# KiCad board Home Assistant Voice PE.kicad_pcb (continued)
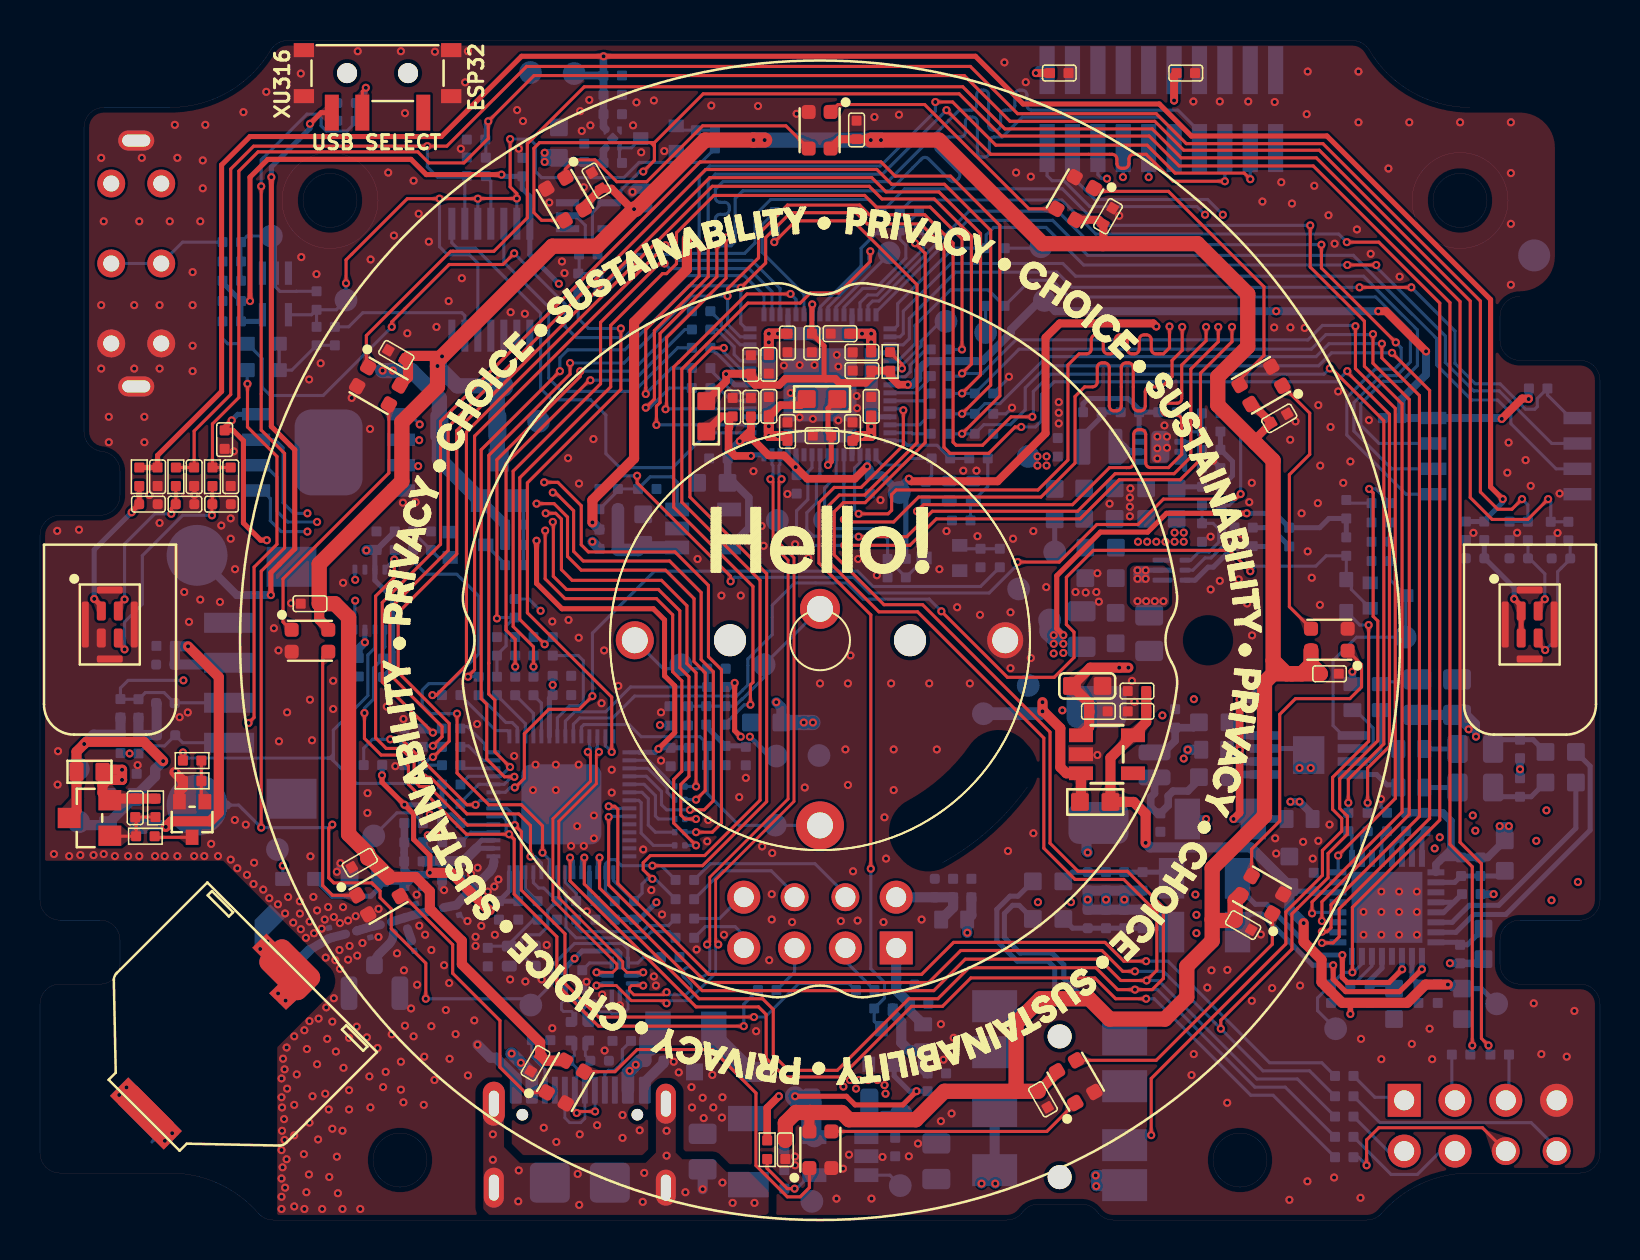
[diagram p0: board, top side]
## Placement (name value [footprint] x y rotation side) (continued)
U11  ME6211C18M5G-N  [SOT-23-5]  33.16 34.59 90 bottom
U12  TPS62065DSGR  [DFN8G-0.5-2X2MM]  56.02 38.68 90 bottom
U13  SGM2594BDXN5G/TR  [SOT-23-5]  40.02 3.19 270 bottom
U14  -  [SN74LVC1G17DCKR]  11.77 46.32 270 bottom  (not fitted)
U15  ZB25VQ128DSJG  [SOIC8-1.27-5.3X5.3MM]  14.43 38.4 270 bottom
U16  W25Q256JVEIQ  [WSON8-1.27-8x6x0.75mm]  14.43 38.4 180 bottom  (not fitted)
U17  SGM7222YWQ10/TR  [WQFN10_0d4_1_8x1_4x0_75mm]  28.99 12.03 270 bottom
U18  SGM2036S-3.3XXDH4G/TR  [X2SON4-0.625-1x1x0.6mm]  28.64 54.1 270 bottom
U19  LC1458CB5TR33  [SOT-23-5]  53.35 23.3 270 top  (not fitted)
U20  TXS0102DCUR  [VSSOP8-0.5-2.3X2X0.9MM]  16.5 31.03 270 bottom
USB1  USB-31C-F-16P-L7.35  [USB2.0-TYPE-C]  26.99 6.37 90 bottom
X1  24MHz 12pF  [X4-SMD-2.0X1.6MM]  46.06 36.47 0 bottom
X2  40MHz  [X4-SMD-2.0X1.6MM]  24.06 13.2 0 bottom

## Library data of the parts
ANT1 = -: Description: SMD U-FL Female CONN-Gold;3P-L2.6*W2.6*H1.25mm; Manufacturer: HRS; SKU: 320111077; Part Type: ANT; Temperature: -40°C to 90°C; ki_fp_filters: Connector:U-FL3P-SMD-2.6X2.6X1.0MM
ANT2 = -: Description: SMD Built-in Antenna;2.4GHz-5.43dBi;2P-L12*W10*H3mm; Manufacturer: MyAntenna; Part Type: ANT; Status: HA Voice Kit; Temperature: -45°C to 80°C; ki_fp_filters: Misc:ANT2P-12x10.45x3.0MM_1
C1 C4-C6 C9 C10 C12 C13 C25 C26 C30 C31 C33 C35 C37 C39 C43 C45-C58 C60 C61 C70 C78 C79 C81 C83 C85 C88-C90 C92 C93 = -: MPN: CC0402KRX7R8BB104; Manufacturer: YAGEO; Part Type: Ceramic; SKU: 302010024; Status: BeagleBone Carrier Board; Temperature: -55°C to 125°C; Voltage Rating: 25V,X7R
C2 C3 = -: Description: SMD CAP Ceramic 20pF-50V-5%-NPO;0402; MPN: CC0402JRNPO9BN200; Manufacturer: YAGEO; Part Type: Ceramic; SKU: 302010050; Status: Tracker; Temperature: -55°C to 125°C; Voltage Rating: 50V,NP0; ki_fp_filters: Capacitor:C0402
C7 = -: Description: SMD CAP Ceramic 2.4pF-50V-0.25pF-NPO;0402; MPN: CC0402CRNPO9BN2R4; Manufacturer: YAGEO; Part Type: Ceramic; SKU: 302010326; Status: Amazon Sidewalk Module; Temperature: -55°C to 125°C; Voltage Rating: 50V,NP0; ki_fp_filters: Capacitor:C0402
C8 C59 C77 = -: Description: SMD CAP Ceramic 12pF-50V-5%-NPO;0402; MPN: CC0402JRNPO9BN120; Manufacturer: YAGEO; Part Type: Ceramic; SKU: 302010049; Status: Testo PoE; Temperature: -55°C to 125°C; Voltage Rating: 50V,NPO; ki_fp_filters: Capacitor:C0402
C11 C68 C69 C84 = -: Description: SMD CAP Ceramic 2.2uF-10V-10%-X7R;0603; MPN: CC0603KRX7R6BB225; Manufacturer: YAGEO; Part Type: Ceramic; SKU: 302010054; Status: Sensecap Gateway V1; Temperature: -55°C to 125°C; Voltage Rating: 10V,X7R; ki_fp_filters: Capacitor:C0603
C14 C36 C40 C62 C63 C67 C71-C73 C75 = -: Description: SMD CAP Ceramic 10uF-10V-10%-X5R;0603; MPN: CL10A106KP8NNNC; Manufacturer: Samsung; Part Type: Ceramic; SKU: 302013252; Status: HA VOICE KIT; Temperature: -55°C to 85°C; Voltage Rating: 10V,X5R; ki_fp_filters: Capacitor:C0603
C15 C16 = -: MPN: CL31A476MPHNNNE; Manufacturer: Samsung; Part Type: Ceramic; SKU: 302013265; Status: reSpeaker; Temperature: -55°C to 85°C; Voltage Rating: 10V,X5R
C17 C18 = -: MPN: CC0402FRNPO9BN101; Manufacturer: Yageo; Part Type: Ceramic; SKU: 302012441; Status: reSpeaker; Temperature: -55°C to 125°C; Voltage Rating: 50V,NP0
C19-C21 = -: Description: SMD CAP Ceramic 22uF-10V-10%-X5R;0805; MPN: CL21A226KPCLRNC; Manufacturer: Samsung; Part Type: Ceramic; SKU: 302012264; Status: reSpeaker; Temperature: -55°C to 85°C; Voltage Rating: 10V,X5R; ki_fp_filters: Capacitor:C0805
C22 C23 C66 = -: Description: SMD CAP Ceramic 100nF-50V-10%-X7R;0603; MPN: CC0603KRX7R9BB104; Manufacturer: YAGEO; Part Type: Ceramic; SKU: 302010138; Status: BeagleBone Carrier Board; Temperature: -55°C to 125°C; Voltage Rating: 50V,X7R; ki_fp_filters: Capacitor:C0603
C24 = -: Description: SMD CAP Ceramic 47uF-10V-20%-X5R;1206; MPN: CL31A476MPHNNNE; Manufacturer: Samsung; Part Type: Ceramic; SKU: 302013265; Status: reSpeaker; Temperature: -55°C to 85°C; Voltage Rating: 10V,X5R; ki_fp_filters: Capacitor:C1206
C27 C28 = -: Description: SMD CAP Ceramic 10nF-50V-10%-X7R;0402; MPN: CC0402KRX7R9BB103; Manufacturer: YAGEO; Part Type: Ceramic; SKU: 302010006; Status: BeagleBone Carrier Board; Temperature: -55°C to 125°C; Voltage Rating: 50V,X7R; ki_fp_filters: Capacitor:C0402
C29 C32 = -: MPN: CC0402KRX7R9BB103; Manufacturer: YAGEO; Part Type: Ceramic; SKU: 302010006; Status: BeagleBone Carrier Board; Temperature: -55°C to 125°C; Voltage Rating: 50V,X7R
C34 C38 = -: Description: SMD CAP Ceramic 22uF-6.3V-20%-X5R;0603; MPN: CL10A226MQ8NRNC; Manufacturer: Samsung; Part Type: Ceramic; SKU: 302013254; Status: reSpeaker; Temperature: -55°C to 85°C; Voltage Rating: 6.3V,X5R; ki_fp_filters: Capacitor:C0603
C41 C44 C76 C87 = -: Description: SMD CAP Ceramic 1uF-10V-10%-X5R;0402; MPN: CL05A105KP5NNNC; Manufacturer: Samsung; Part Type: Ceramic; SKU: 302013249; Status: HA Voice KIT; Temperature: -55°C to 85°C; Voltage Rating: 10V,X5R; ki_fp_filters: Capacitor:C0402
C42 = -: Description: SMD Inductor;4.3nH-3%-350mA;0201; Manufacturer: Murata; MPN: LQP03TN4N3H02D; SKU: 303010093; Part Type: C; Status: TRACKER; Temperature: ’-55°C to 125°C; ki_fp_filters: Capacitor:C0201
C64 = -: Description: SMD CAP Ceramic 120pF-50V-5%-NP0;0402; Dielectric: NP0; MPN: CC0402JRNPO9BN121; Manufacturer: YAGEO; Part Type: Ceramic; SKU: 302013487; Status: Frame 2 EVT; Voltage Rating: 50V; ki_fp_filters: Capacitor:C0402
C65 = -: Description: SMD CAP Ceramic 22uF-25V-20%-X5R;0805; MPN: CL21A226MAQNNNE; Manufacturer: Samsung; Part Type: Ceramic; SKU: 302011928; Status: reTerminal DM; Temperature: -55°C to 85°C; Voltage Rating: 25V,X5R; ki_fp_filters: Capacitor:C0805
C74 = -: MPN: CC0402JRNPO9BN220; Manufacturer: YAGEO; Part Type: Ceramic; SKU: 302010018; Status: BeagleBone Carrier Board; Temperature: -55°C to 125°C; Voltage Rating: 50V,NPO
C80 = -: Description: SMD CAP Ceramic 1nF-1KV-10%-X7R;1206; Manufacturer: YAGEO; MPN: CC1206KKX7RCBB102; SKU: 302010189; Dielectric: X7R; Part Type: Ceramic; Voltage Rating: 1KV; Status: BeagleBone Carrier Board; Temperature: -55°C to 125°C; ki_fp_filters: Capacitor:C1206
C82 C106 C110 C112 C117 C123 = -: Description: SMD CAP Ceramic 1uF-10V-10%-X5R;0402; Manufacturer: Samsung; MPN: CL05A105KP5NNNC; SKU: 302013249; Part Type: Ceramic; Voltage Rating: 10V,X5R; Status: HA Voice KIT; Temperature: -55°C to 85°C; ki_fp_filters: Capacitor:C0402
C86 C103 C130 C131 C141 C146 = -: Manufacturer: YAGEO; MPN: CC0402KRX7R9BB103; SKU: 302010006; Part Type: Ceramic; Voltage Rating: 50V,X7R; Status: BeagleBone Carrier Board; Temperature: -55°C to 125°C
C91 C94 C95 C100 C104 C105 C107-C109 C118 C119 C132 C138-C140 C142-C145 C147-C155 = -: Manufacturer: YAGEO; MPN: CC0402KRX7R8BB104; SKU: 302010024; Part Type: Ceramic; Voltage Rating: 25V,X7R; Status: BeagleBone Carrier Board; Temperature: -55°C to 125°C
C96 = -: Description: SMD CAP Ceramic 0.8PF-50V-0.01pF-C0G/NP0;0201; Manufacturer: Murata; MPN: GRM0335C1HR80BA01D; SKU: 302011837; Part Type: Ceramic; Voltage Rating: 50V-0.01pF-C0G/NP0; Status: XIAO BLE; Temperature: -55°C to 125°C; ki_fp_filters: Capacitor:C0201
C97 C101 C102 = -: Description: SMD CAP Ceramic;1.2pF-50V-±0.25pF-NPO;0201; Manufacturer: YAGEO; MPN: CC0201CRNPO9BN1R2; SKU: 302010279; Part Type: C; Voltage Rating: ±0.25pF; Status: TRACKER; Temperature: ’-55°C to 125°C; ki_fp_filters: Capacitor:C0201
C98 C99 C113-C116 C124 C126-C129 C133-C137 = -: Description: SMD CAP Ceramic 12pF-50V-5%-NPO;0402; Manufacturer: YAGEO; MPN: CC0402JRNPO9BN120; SKU: 302010049; Part Type: Ceramic; Voltage Rating: 50V,NPO; Status: Testo PoE; Temperature: -55°C to 125°C; ki_fp_filters: Capacitor:C0402
C111 C125 = -: Description: SMD CAP Ceramic 10pF-50V-5%-NPO;0402; Manufacturer: YAGEO; MPN: CC0402JRNPO9BN100; SKU: 302010001; Part Type: Ceramic; Voltage Rating: 50V,NPO; Status: BeagleBone Carrier Board; Temperature: -55°C to 125°C; ki_fp_filters: Capacitor:C0402
C120 C121 = -: Description: SMD CAP Ceramic;4.7nF-50V-10%-X7R;0402; Manufacturer: YAGEO; MPN: CC0402KRX7R9BB472; SKU: 302010261; Part Type: Ceramic; Voltage Rating: 50V,X7R; Status: BeagleBone AI TDA4VM; Temperature: -55°C to 125°C; ki_fp_filters: Capacitor:C0402
C122 = -: Description: SMD CAP Ceramic 2.2uF-10V-10%-X7R;0603; Manufacturer: YAGEO; MPN: CC0603KRX7R6BB225; SKU: 302010054; Part Type: Ceramic; Voltage Rating: 10V,X7R; Status: Sensecap Gateway V1; Temperature: -55°C to 125°C; ki_fp_filters: Capacitor:C0603
D1 D10 D12 D14 D15 D17-D19 = -: Description: SMD Diode ESD 0.05pF;0402; Manufacturer: SEMITEL; SKU: 304060074; Part Type: ESD; ki_fp_filters: Diode:ESD-0402
D2 D3 D6 D7 = -: Manufacturer: SEMITEL; Part Type: ESD; SKU: 304060074
D4 = -: Description: SMD Diode ESD 0.05pF;0402; Manufacturer: SEMITEL; Part Type: ESD; SKU: 304060074; ki_fp_filters: Diode:ESD-0402
D5 D21 = -: Description: SMD Diode ESD 5.5V-6V-12pF-30KV-30KV;X1SON(2); Manufacturer: TI; SKU: 304050312; Part Type: ESD; Rating: 5.5V; Temperature: -40°C to 125°C; ki_fp_filters: Diode:ESD-0402
D8 = -: Description: SMD Diode ESD 5.5V-6V-12pF-30KV-30KV;X1SON(2); Manufacturer: TI; Part Type: ESD; Rating: 5.5V; SKU: 304050312; Temperature: -40°C to 125°C; ki_fp_filters: Diode:ESD-0402
D9 D11 D13 D20 = -: Description: SMD Diode Schottky 30V-200mA;SOD-523; Manufacturer: LRC; SKU: 304011072; Part Type: Schottky Diode; Rating: 30V,200mA; Temperature: -40°C to 125°C; ki_fp_filters: Diode:SOD-523
D16 = -: Manufacturer: SEMITEL; SKU: 304060074; Part Type: ESD
D22 = -: Description: SMD Diode TVS;5VWM;SOD-123; Manufacturer: MDD; Part Type: TVS; Rating: 5V; Status: Voice Kit; Temperature: -55°C to 150°C; ki_fp_filters: Diode:SOD-123
FB1 FB10 FB11 FB13 = -: Manufacturer: Murata; MPN: BLM18PG121SN1D; SKU: 303030024; Part Type: Ferrite Bead; Rating: 2A; Status: BeagleBone Carrier Board; Temperature: -55°C to 125°C
FB2 FB3 = -: MPN: BLM18AG121SN1D; Manufacturer: Murata; Part Type: Ferrite Bead; Rating: 500mA; SKU: 303030001; Status: BeagleBone Carrier Board
FB4 FB5 = -: Description: SMD Ferrite Bead;600R-500mA;0603; MPN: BLM18AG601SN1D; Manufacturer: Murata; Part Type: Ferrite Bead; Rating: 500mA; SKU: 303030521; Status: ReCamera-Pre; Temperature: -55°C to 125°C; ki_fp_filters: Inductor:L0603
FB6 FB7 = -: MPN: BLM18AG601SN1D; Manufacturer: Murata; Part Type: Ferrite Bead; Rating: 500mA; SKU: 303030521; Status: ReCamera-Pre; Temperature: -55°C to 125°C
FB8 FB9 = -: MPN: BLM18PG121SN1D; Manufacturer: Murata; Part Type: Ferrite Bead; Rating: 2A; SKU: 303030024; Status: BeagleBone Carrier Board; Temperature: -55°C to 125°C
FB12 = -: Description: SMD PPTC 2A-6V;1206; Manufacturer: Bourns; MPN: MF-NSMF200-2; SKU: MF-NSMF200-2; Part Type: Fuse; Rating: DC6V; Status: Voice Kit; Temperature: -40°C to 85°C; ki_fp_filters: Fuse:F1206
J1 = -: SKU: 320040142
J2 = -: Description: SMD Male CONN Header;2P-1.25mm; Manufacturer: SINOTOP; Part Type: Connectors; SKU: 320111167; Status: Future_Technolngy_Box; Temperature: -25°C to +85°C; ki_fp_filters: Connector:JST2P_1d25_7_55x4_25x4_8mm
J3 J6 = -: Description: DIP Black Male Header VERT;2*4P-2.54-2.54-11.6/3.0mm; Manufacturer: situozhan; SKU: 320020029; Part Type: Header; ki_fp_filters: Connector:H2X4-2.54-65_35MIL
J4 = -: Description: SMD Grove Female Header-Beige;4P-2.0; MPN: PHS-4P 立贴; Manufacturer: 思拓展; Part Type: Connectors; SKU: 320110030; ki_fp_filters: Connector:HW4-SMD-2.0
J5 = -: Description: SMD Box Header;Black 2*10P-1.27; SKU: 1.27Header; Part Type: Header; Status: HA VOIVC KIT; ki_fp_filters: Connector:JTAG_2X10_1.27_SMD
L1 = -: Description: SMD Innductor 0.47uH-20%;L2.0*W1.6*H1.0mm; MPN: WPN201610MR47MT; Manufacturer: Sunlord; Part Type: Inductor; Rating: 5.2A; SKU: 303010172; Status: BeagleBone Carrier Board; ki_fp_filters: Inductor:L0805
L2 = -: Description: SMD Inductor 1uH-20%-3.1A;L2.0*W1.6*H1.0mm; MPN: WPN201610U1R0MTY01; Manufacturer: Sunlord; Part Type: Inductor; Rating: 3.1A; SKU: 303011382; Status: HA Voice KIT; Temperature: -40°C to 125°C; ki_fp_filters: Inductor:L2016
L3 = -: Description: SMD CAP Ceramic 3.3pF-25V±0.1pF-NPO;0201; Manufacturer: YAGEO; MPN: CQ0201BRNPO8BN3R3; SKU: 302011041; Part Type: L; Status: Tracker; Temperature: -55°C to 125°C; ki_fp_filters: Inductor:L0201
L4 = -: Description: SMD Inductor;2.2nH ±0.2nH-1A;0402; Manufacturer: Murata; MPN: LQW15AN2N2C10D; SKU: 303011121; Part Type: Inductor; Rating: 1A; Status: Sensor Hub; Temperature: -55°C to 125°C; ki_fp_filters: Inductor:L0402
L5 = -: Description: SMD Common Mode Chokes;90R-150mA;4P-1.25*1.0*0.92mm; Manufacturer: Murata; MPN: DLP11SN900HL2L; SKU: 303050204; Part Type: Common Mode Filter; Rating: 150mA; Temperature: -40°C to 85°C; ki_fp_filters: Inductor:INT4-SMD-1X1.25X0.82MM
L6 = -: Description: SMD Inductor 2.2nH-0.1nH-650mA;0201; Manufacturer: Murata; MPN: LQP03TQ2N2B02D; SKU: 303011229; Part Type: Inductor; Rating: 600mA; Status: HA Voice KIT; Temperature: -55°C to 125°C; ki_fp_filters: Inductor:L0201
L7 = -: Description: SMD Inductor;1.5nH-0.1%-600mA;0201; Manufacturer: Murata; MPN: LQP03TN1N5B02D; SKU: 303010824; Part Type: L; Rating: 600mA; Status: Tracker; Temperature: -55°C to 125°C; ki_fp_filters: Inductor:L0201
LED1 = -: Description: SMD LED RGB;4P-2.2*2.0*0.84mm; Manufacturer: WORLDSEMI; Part Type: LED; Rating: 3.7V to 5.3V; SKU: 304091547; Temperature: -25°C to 85°C; ki_fp_filters: Diode:LED4-1.0-2.2X2X0.84MM
LED2-LED12 = -: Description: SMD LED RGB;4P-2.2*2.0*0.84mm; Manufacturer: WORLDSEMI; SKU: 304091547; Part Type: LED; Rating: 3.7V to 5.3V; Temperature: -25°C to 85°C; ki_fp_filters: Diode:LED4-1.0-2.2X2X0.84MM
Q1 Q5 = -: Manufacturer: 长电; SKU: 305030010; Part Type: PMOS; Rating: 30V;4.3A; Status: Sensor Hub; Temperature: -55°C to 150°C
Q2 Q3 Q10 = -: Manufacturer: LRC; Part Type: NMOS; Rating: 200mA; SKU: 305031542; Temperature: -55°C to 150°C
Q4 = -: Description: SMD Transistors NPN 25V-500mA;SOT-323; Manufacturer: CJ; Part Type: NPN; Rating: 25V,500mA; SKU: 305010001; Temperature: -55°C to 150°C; ki_fp_filters: Transistor:SOT-323
Q6 Q7 = -: Manufacturer: LRC; SKU: 305031542; Part Type: NMOS; Rating: 200mA; Temperature: -55°C to 150°C
R1 R25 R27 R67 = -: Description: SMD RES 4.7K-5%-1/16W;0402; MPN: RC0402JR-074K7L; Manufacturer: YAGEO; Part Type: RES; Power Rating: 5%; SKU: 301010010; Status: BeagleBone Carrier Board; Temperature: -55°C to 155°C; ki_fp_filters: Resistor:R0402
R2 R6 R30 = -: Description: SMD RES 100R-5%-1/16W;0402; MPN: RC0402JR-07100RL; Manufacturer: YAGEO; Part Type: RES; Power Rating: 5%; SKU: 301010028; Status: BeagleBone Carrier Board; Temperature: -55°C to 155°C; ki_fp_filters: Resistor:R0402
R3 = -: MPN: RC0402JR-071ML; Manufacturer: YAGEO; Part Type: RES; Power Rating: 5%; SKU: 301010009; Status: reSpeaker; Temperature: -55°C to 155°C
R4 = -: MPN: RC0402JR-07680RL; Manufacturer: YAGEO; Part Type: RES; Power Rating: 5%; SKU: 301010505; Status: Combox Pro; Temperature: -55°C to 155°C
R5 R9 R13 R14 R36 R37 R41 R45 R48 R49 R53 = -: MPN: RC0402JR-070RL; Manufacturer: YAGEO; Part Type: RES; Power Rating: 5%; SKU: 301010000; Status: BeagleBone Carrier Board; Temperature: -55°C to 155°C
R7 R11 = -: MPN: RC0402JR-0747KL; Manufacturer: YAGEO; Part Type: RES; Power Rating: 5%; SKU: 301010005; Status: reSpeaker; Temperature: -55°C to 155°C
R8 R63 R66 = -: MPN: RC0402JR-07100RL; Manufacturer: YAGEO; Part Type: RES; Power Rating: 5%; SKU: 301010028; Status: BeagleBone Carrier Board; Temperature: -55°C to 155°C
R10 = -: Description: SMD RES 1K-5%-1/16W;0402; MPN: RC0402JR-071KL; Manufacturer: YAGEO; Part Type: RES; Power Rating: 5%; SKU: 301010006; Status: BeagleBone Carrier Board; Temperature: -55°C to 155°C; ki_fp_filters: Resistor:R0402
R12 = -: Description: SMD RES 3.3K-5%-1/16W;0402; MPN: RC0402JR-073K3L; Manufacturer: YAGEO; Part Type: RES; Power Rating: 1%; SKU: 301010035; Status: Not Used; Temperature: -55°C to 155°C; ki_fp_filters: Resistor:R0402
R15 R18 R19 R23 R24 R26 R31 R50-R52 = -: MPN: RC0402FR-0710KL; Manufacturer: YAGEO; Part Type: RES; Power Rating: 1%; SKU: 301010047; Status: BeagleBone Carrier Board; Temperature: -55°C to 155°C
R16 R17 R34 R38 R60 R70-R73 = -: Description: SMD RES 0R-5%-1/16W;0402; MPN: RC0402JR-070RL; Manufacturer: YAGEO; Part Type: RES; Power Rating: 5%; SKU: 301010000; Status: BeagleBone Carrier Board; Temperature: -55°C to 155°C; ki_fp_filters: Resistor:R0402
R20-R22 = -: Description: SMD RES 15K-1%-1/10W;0603; Manufacturer: YAGEO; MPN: RC0603FR-0715KL; SKU: 301010241; Part Type: RES; Power Rating: 1%; Status: Sensecap Gateway V1; Temperature: -55°C to 155°C; ki_fp_filters: Resistor:R0603
R28 R29 R35 R40 = -: Description: SMD RES 470K-1%-1/16W;0402; MPN: RC0402FR-07470KL; Manufacturer: YAGEO; Part Type: RES; Power Rating: 1%; SKU: 301010069; Status: Combox Pro; Temperature: -55°C to 155°C; ki_fp_filters: Resistor:R0402
R32 R33 = -: Description: SMD RES;33R-1%-1/16W-0402; MPN: RC0402FR-0733RL; Manufacturer: YAGEO; Part Type: RES; Power Rating: 1%; SKU: 301010609; Status: BeagleBone Carrier Board; Temperature: -55°C to 155°C; ki_fp_filters: Resistor:R0402
R39 R99 R100 R118 = -: Description: SMD RES 0R-5%-1/10W;0603; Manufacturer: YAGEO; MPN: RC0603JR-070RL; SKU: 301010292; Part Type: RES; Power Rating: 5%; Temperature: -55°C to 155°C; ki_fp_filters: Resistor:R0603
R42 R43 = -: MPN: RC0402FR-075K1L; Manufacturer: YAGEO; Part Type: RES; Power Rating: 1%; SKU: 301010495; Status: Geni; Temperature: -55°C to 155°C
R44 = -: Description: SMD RES 49.9R-1%-1/16W;0402; MPN: RC0402FR-0749R9L; Manufacturer: YAGEO; Part Type: RES; Power Rating: 1%; SKU: 301010041; Status: BeagleBone Carrier Board; Temperature: -55°C to 155°C; ki_fp_filters: Resistor:R0402
R46 R55 R59 R64 R77 = -: MPN: RC0402FR-07100KL; Manufacturer: YAGEO; Part Type: RES; Power Rating: 1%; SKU: 301010456; Status: BeagleBone Carrier Board; Temperature: -55°C to 155°C
R47 = -: Description: SMD RES 22.1K-1%-1/16W;0402; MPN: RC0402FR-0722K1L; Manufacturer: YAGEO; Part Type: RES; Power Rating: 1%; SKU: 301011331; Status: Zola Gateway; Temperature: -55°C to 155°C; ki_fp_filters: Resistor:R0402
R54 = -: MPN: ERJ-2RKF5102X; Manufacturer: Panasonic; Part Type: RES; Power Rating: 1%; SKU: 301010051; Status: Sensecap one; Temperature: -40°C to 85℃
R56 R57 = -: MPN: RC0402JR-0722RL; Manufacturer: YAGEO; Part Type: RES; Power Rating: 5%; SKU: 301010002; Status: BeagleBone Carrier Board; Temperature: -55°C to 155°C
R58 = -: MPN: RC0402FR-0747KL; Manufacturer: YAGEO; Part Type: RES; Power Rating: 1%; SKU: 301010054; Status: IOT Enabling Dongle Board; Temperature: -55°C to 155°C
R61 = -: Description: SMD RES 10K-1%-1/16W;0402; MPN: RC0402FR-0710KL; Manufacturer: YAGEO; Part Type: RES; Power Rating: 1%; SKU: 301010047; Status: BeagleBone Carrier Board; Temperature: -55°C to 155°C; ki_fp_filters: Resistor:R0402
R62 = -: MPN: RC0402FR-07330RL; Manufacturer: YAGEO; Part Type: RES; Power Rating: 1%; SKU: 301010466; Status: Combox Pro; Temperature: -55°C to 155°C
R65 = -: MPN: RC1206JR-070RL; Manufacturer: YAGEO; Part Type: RES; Power Rating: 5%; SKU: 301010407; Status: BeagleBone Carrier Board; Temperature: -55°C to 155°C
R68 R69 R74 = -: Description: SMD RES 0R-±1%-1/20W;0201; MPN: RC0201FR-070RL; Manufacturer: YAGEO; Part Type: RES; Power Rating: 1%; SKU: 301010525; Status: BeagleBone AI TDA4VM; Temperature: -55°C to 125°C; ki_fp_filters: Resistor:R0201
R75 R82 = -: Description: SMD RES 0R-5%-1/8W;0805; Manufacturer: YAGEO; MPN: RC0805JR-070RL; SKU: 301010359; Part Type: RES; Power Rating: 5%; Status: Sensecap Gateway V1; Temperature: -55°C to 155°C; ki_fp_filters: Resistor:R0805
R76 R81 R126 R127 = -: Description: SMD RES 0R-±1%-1/20W;0201; Manufacturer: YAGEO; MPN: RC0201FR-070RL; SKU: 301010525; Part Type: RES; Power Rating: 1%; Status: BeagleBone AI TDA4VM; Temperature: -55°C to 125°C; ki_fp_filters: Resistor:R0201
R78-R80 R83-R86 R88 R90-R97 R101 R102 R109 R111 R114 R125 R131-R136 R138 R139 R146 = -: Manufacturer: YAGEO; MPN: RC0402JR-070RL; SKU: 301010000; Part Type: RES; Power Rating: 5%; Status: BeagleBone Carrier Board; Temperature: -55°C to 155°C
R87 = -: Description: SMD RES 499R-1%-1/16W;0402; Manufacturer: YAGEO; MPN: RC0402FR-07499RL; SKU: 301012386; Part Type: RES; Power Rating: 1%; Status: SenseCAP Gateway V3; Temperature: -55°C to 155°C; ki_fp_filters: Resistor:R0402
R89 R98 R106 R115 R116 = -: Manufacturer: YAGEO; MPN: RC0402FR-0710KL; SKU: 301010047; Part Type: RES; Power Rating: 1%; Status: BeagleBone Carrier Board; Temperature: -55°C to 155°C
R103-R105 R107 R113 R142 R143 = -: Description: SMD RES 0R-5%-1/16W;0402; Manufacturer: YAGEO; MPN: RC0402JR-070RL; SKU: 301010000; Part Type: RES; Power Rating: 5%; Status: BeagleBone Carrier Board; Temperature: -55°C to 155°C; ki_fp_filters: Resistor:R0402
R108 = -: Manufacturer: YAGEO; MPN: RC0402FR-07100KL; SKU: 301010456; Part Type: RES; Power Rating: 1%; Status: BeagleBone Carrier Board; Temperature: -55°C to 155°C
R110 R112 R120 R137 = -: Description: SMD RES 100R-5%-1/16W;0402; Manufacturer: YAGEO; MPN: RC0402JR-07100RL; SKU: 301010028; Part Type: RES; Power Rating: 5%; Status: BeagleBone Carrier Board; Temperature: -55°C to 155°C; ki_fp_filters: Resistor:R0402
R117 R119 R122 = -: Description: SMD RES 470K-1%-1/16W;0402; Manufacturer: YAGEO; MPN: RC0402FR-07470KL; SKU: 301010069; Part Type: RES; Power Rating: 1%; Status: Combox Pro; Temperature: -55°C to 155°C; ki_fp_filters: Resistor:R0402
R121 = -: Description: SMD RES 0R-5%-1/4W;1206; Manufacturer: YAGEO; MPN: RC1206JR-070RL; SKU: 301010407; Part Type: RES; Power Rating: 5%; Status: BeagleBone Carrier Board; Temperature: -55°C to 155°C; ki_fp_filters: Resistor:R1206
R123 R124 R128-R130 R140 R141 R144 R145 = -: Description: SMD RES 4.7K-5%-1/16W;0402; Manufacturer: YAGEO; MPN: RC0402JR-074K7L; SKU: 301010010; Part Type: RES; Power Rating: 5%; Status: BeagleBone Carrier Board; Temperature: -55°C to 155°C; ki_fp_filters: Resistor:R0402
R147 = -: Description: SMD RES 1M-5%-1/8W;0805; Manufacturer: YAGEO; MPN: RC0805JR-071ML; SKU: 301010321; Part Type: RES; Power Rating: 5%; Status: Combox Pro; Temperature: -55°C to 155°C; ki_fp_filters: Resistor:R0805
SW1 = -: Description: DIP SideToggle Switch DPDT;6P-2.0-L12.7*W7.0*H4.7mm-90D; Manufacturer: JIINBEILI; Part Type: Switch; Status: HA Voice KIT; ki_fp_filters: Switch:SW6-2CH-12.7X7X4.7MM
SW2 = -: Description: DIP Rotary Switch+Button;4P-L21*W21*H3.5mm; Manufacturer: ZIPPY; Part Type: Rotary SWITCH; Status: HA Voice KIT; Temperature: 0°C to 40°C; ki_fp_filters: Switch:AN-P1S-2SP-Z
SW3 = -: Description: SMD TopToggle Switch SPDT;7P-L6.7*W2.7*H3.2mm; Manufacturer: DeYiLong; SKU: 311030001; Part Type: Switch; Status: HA Voice KIT; ki_fp_filters: Switch:SW7-SMD-L6.7X2.7X3.2MM
TP2 TP3 = -: Description: Test Point;TP-1.6MM-ROUND; SKU: TP-1.6MM-ROUND; ki_fp_filters: Misc:TP-1.6MM-ROUND
TP10 TP20-TP22 TP27-TP34 TP38-TP40 = -: Description: Test Point;TP45C_SMD; SKU: TP45C_SMD; ki_fp_filters: Misc:TP-D45MIL
TP36 TP37 = -: Description: Test Point;TP120C_SMD; SKU: TP120C_SMD; ki_fp_filters: Misc:TP-D120MIL
TP46 = -: SKU: TP45C_SMD
U1 = -: Description: SMD IC TxRx + MCU Bluetooth, WiFi 802.11b/g/n, Bluetooth 5 2.4GHz;QFN56; Manufacturer: ESPRESSIF(乐鑫); Part Type: MCU; SKU: 310060821; Temperature: -40℃ ~ 65℃; ki_fp_filters: Ic:QFN56G-0.4-7X7MM
U2 = -: Description: SMD IC MCU;QFN60; SKU: 310011736; Manufacturer: XMOS
U3 = -: Description: SMD IC Memory;32Mbit-3V;SOIC-8; Manufacturer: Zbit; Part Type: Flash With FW; SKU: 206001721; Status: HA Voice Kit; Temperature: -40°C ~ +85°C; Priority: A; ki_fp_filters: Ic:SOIC8-1.27-5.3X5.3MM
U4 U5 = -: Description: SMD Digital MIC OMNI -26dBFS;OCLGA-8;L4*W3*H1mm; MPN: MIC-MSM261DHP006; Manufacturer: MEMSensing; ki_fp_filters: Misc:MIC8P-0.85-4X3X1MM
U6 = -: Datasheet: http://www.ti.com/lit/gpn/sn74lvc125a; Description: SMD IC Logic;TSSOP-14; Arrow Price/Stock: https://www.arrow.com/en/products/sn74lvc125apwr/texas-instruments?region=nac; Height: 1.2; Manufacturer: TI; Mouser Part Number: 595-SN74LVC125APWR; Mouser Price/Stock: https://www.mouser.co.uk/ProductDetail/Texas-Instruments/SN74LVC125APWR?qs=LfG3tU9ud8CIphjnOD7YXw%3D%3D; SKU: 310050527
U7 U14 = -: Description: SMD IC Logic;Single Schmitt-Trigger Buffer-SC-70-5; Manufacturer: TI; SKU: 310051133; ki_fp_filters: DCK5 DCK5-M DCK5-L
U8 = -: Datasheet: http://www.ti.com/lit/gpn/tlv320aic3204; Description: SMD IC Audio Frequenc;Ultra Low Power Stereo Codec;VQFN-32; Arrow Price/Stock: https://www.arrow.com/en/products/tlv320aic3204irhbr/texas-instruments?region=nac; Height: 1; Mouser Part Number: 595-V320AIC3204IRHBR; Mouser Price/Stock: https://www.mouser.co.uk/ProductDetail/Texas-Instruments/TLV320AIC3204IRHBR?qs=QJfls%252B0L4ChDpvXOhuEdtQ%3D%3D; Manufacturer: Texas Instruments; SKU: 310080252
U9 = -: Description: SMD IC Audio Amplifier Class AB;MSOP-8-EP; Manufacturer: TI; MPN: TI; Part Type: Amplifier; Rating: 2.5V to 5.5V; Status: HA Voice Kit; Temperature: -40°C to 105℃; ki_fp_filters: Ic:DGN8_1d89X1P57
U10 = -: Description: SMD IC PMIC;DC-DC Buck-ADJ-4A,Vin 2.4V to 5.5V,Vout 0.6V to 4V;DFN6; Manufacturer: TI; Part Type: DCDC; Status: Voice Kit; Temperature: -40°C to 125°C; ki_fp_filters: Ic:DFN6-0.5-1.5X1.5X0.65MM
U11 = -: Description: SMD IC PMIC;High Speed,High PSRR,LDO-1.8V-300mA;SOT23-5; Manufacturer: MICRONE; Part Type: LDO; SKU: 310032922; Temperature: -40°C to +85°C; ki_fp_filters: Ic:SOT-23-5
U12 = -: Description: SMD IC PMIC;DC-DC Buck-ADJ-2A,Vin 2.9V to 6V,Vout 0.8V to VIN;DFN(2*2)-8; Manufacturer: TI; Part Type: DCDC; Status: Voice Kit; Temperature: -40°C to 125°C; ki_fp_filters: Ic:DFN8G-0.5-2X2MM
U13 = -: Manufacture: SGMICRO; SKU: 310032921
U15 = -: Description: SMD IC Memory;128Mbit-3V;SOIC-8; Manufacturer: Zbit; SKU: 310091686; Part Type: Flash; Status: HA Voice Kit; Temperature: -40°C ~ +85°C; Priority: A; ki_fp_filters: Ic:SOIC8-1.27-5.3X5.3MM
U16 = -: Description: SMD IC Memory;WSON-8; Manufacturer: Winbond; SKU: 310090405; Part Type: IC; Temperature: -40°C to +85°C; ki_fp_filters: Ic:WSON8-1.27-8x6x0.75mm
U17 = -: Description: SMD IC Analog Switch;High Speed USB 2.0 (480Mbps) DPDT Analog Switch;WQFN-10; Manufacturer: SGMICRO; SKU: 310100627; Part Type: Analog Switch; Temperature: -40°C ~ +85°C; ki_fp_filters: Ic:WQFN10_0d4_1_8x1_4x0_75mm
U18 = -: Description: SMD IC PMIC;Low Noise LDO-3.3V-300mA;XTDFN-1*1-4L; Manufacturer: SGMICRO; SKU: 310032919; Part Type: LDO; Rating: Vin MAX=6.5V; Status: HA Voice Kit; Temperature: -40°C to 125°C; ki_fp_filters: Ic:X2SON4-0.625-1x1x0.6mm
U19 = -: Description: SMD IC PMIC;LDO-3.3V-500mA;SOT23-5; Manufacturer: LEADCHIP; SKU: 310032530; Part Type: LDO; Temperature: -40°C to +85°C; ki_fp_filters: Ic:SOT-23-5
U20 = -: Description: SMD IC Logic;VFSOP-8; Manufacturer: TI; SKU: 310050070; Part Type: IC; Status: HA Voice Kit; Temperature: -40°C to 85°C; ki_fp_filters: Ic:VSSOP8-0.5-2.3X2X0.9MM
USB1 = -: Manufacturer: 金倍利; Part Type: Connectors; SKU: 320011358
X1 = -: Description: SMD Crystal;24MHz-12pF-10ppm-4P-2.0*1.6*0.5mm; Manufacturer: ECEC; MPN: Y2400FE001; SKU: 306011444; Part Type: Crystal; Rating: 10ppm; Status: AI VISION 2; Temperature: -40°C to 85°C; ki_fp_filters: Crystal:X4-SMD-2.0X1.6MM
X2 = -: Description: SMD Crystal 40MHz-9pF-10ppm-40R;4P-L2.0*W1.6*H0.5mm; Manufacturer: 东晶电子; MPN: Y4000Fc001; SKU: 306011483; Part Type: Crystal; Rating: 10ppm; Status: XIAO C3; Temperature: -40°C to 85°C; ki_fp_filters: Crystal:X4-SMD-2.0X1.6MM

## Footprints (pads in the part's own frame, mm; a bottom-side part is the same pattern mirrored in y, then rotated)
AN-P1S-2SP-Z
  round 1.6 hole 1.6 unplated: (-4.5,0) (4.5,0)
  round 1.9 hole 1.3: A(-9.26,0)
  round 2.4 hole 1.3: B(0,-9.26)
  round 1.8 hole 1.3: COM(9.26,0)
  round 2 hole 1.3: NO(0,1.57)
ANT2P-12x10.45x3.0MM_3
  rrect 3x1.9 smd: 1(-0.001,-5.071)
  rrect 3x1.9 smd far side: 1(-0.001,-5.071)
  rect 2.6x1.3 smd: 2(0,5.091)
  rect 2.6x1.3 smd far side: 2(0,5.091)
  rrect 0.5x0.5 smd far side: 3(2.7,-6.1)
C0201
  rrect 0.279x0.318 smd: 1(-0.255,0) 2(0.255,0)
C0402
  rrect 0.5x0.5 smd: 1(-0.463,0) 2(0.463,0)
C0603
  rrect 0.889x0.889 smd: 1(-0.762,0) 2(0.762,0)
C0603#2
  rrect 0.7x0.9 smd: 1(-0.65,0) 2(0.65,0)
C0805
  rrect 1.016x1.397 smd: 1(-0.889,0) 2(0.889,0)
C1206
  rect 1.27x2.032 smd: 1(-1.651,0) 2(1.651,0)
DFN6-0.5-1.5X1.5X0.65MM
  rrect 0.55x0.25 smd: 1(-0.675,0.5) 2(-0.675,0) 3(-0.675,-0.5)
  rrect 1x0.25 smd: 4(0.45,-0.5) 5(0.45,0) 6(0.45,0.5)
DFN8G-0.5-2X2MM
  rrect 0.3x0.6 smd: 1(-0.75,-1) 2(-0.25,-1) 3(0.25,-1) 4(0.75,-1) 5(0.75,1) 6(0.25,1) 7(-0.25,1) 8(-0.75,1)
  rrect 1.6x0.9 smd: 9(0,0)
DGN8_1d89X1P57
  rect 1.5x0.432 smd: 1(-2.2,0.975) 2(-2.2,0.325) 3(-2.2,-0.325) 4(-2.2,-0.975) 5(2.2,-0.975) 6(2.2,-0.325) 7(2.2,0.325) 8(2.2,0.975)
  rect 1.57x1.89 smd: EPAD(0,0)
ESD-0402
  rrect 0.5x0.5 smd: 1(-0.463,0) 2(0.463,0)
F1206
  rect 1.27x1.778 smd: 1(-1.397,0) 2(1.397,0)
H2X4-2.54-65_35MIL
  rect 1.651x1.651 hole 1: 1(-1.27,3.81)
  round 1.651 hole 1: 2(-1.27,1.27) 3(-1.27,-1.27) 4(-1.27,-3.81) 7(1.27,1.27) 8(1.27,3.81)
  round 1.397 hole 1: 5(1.27,-3.81) 6(1.27,-1.27)
H2X4-2.54-65_35MIL#2
  rect 1.651x1.651 hole 1: 1(-1.27,3.81)
  round 1.651 hole 1: 2(-1.27,1.27) 3(-1.27,-1.27) 4(-1.27,-3.81) 5(1.27,-3.81) 8(1.27,3.81)
  round 1.4 hole 1: 6(1.27,-1.27) 7(1.27,1.27)
HW4-SMD-2.0
  rect 1x2.5 smd: 1(-3,0) 2(-1,0) 3(1,0) 4(3,0)
  rect 2x2.5 smd: 5(-5.8,3.123) 6(5.8,3.123)
INT4-SMD-1X1.25X0.82MM
  rrect 0.7x0.3 smd: 1(-0.625,0.275) 2(0.625,0.275) 3(0.625,-0.275) 4(-0.625,-0.275)
JST2P_1d25_7_55x4_25x4_8mm
  rrect 0.8x1.6 smd: 1(-0.625,0) 2(0.625,0)
  rrect 2.1x3 smd: 3(-2.9,-2.8) 4(2.9,-2.9)
